# KiCad board DS44.kicad_pcb
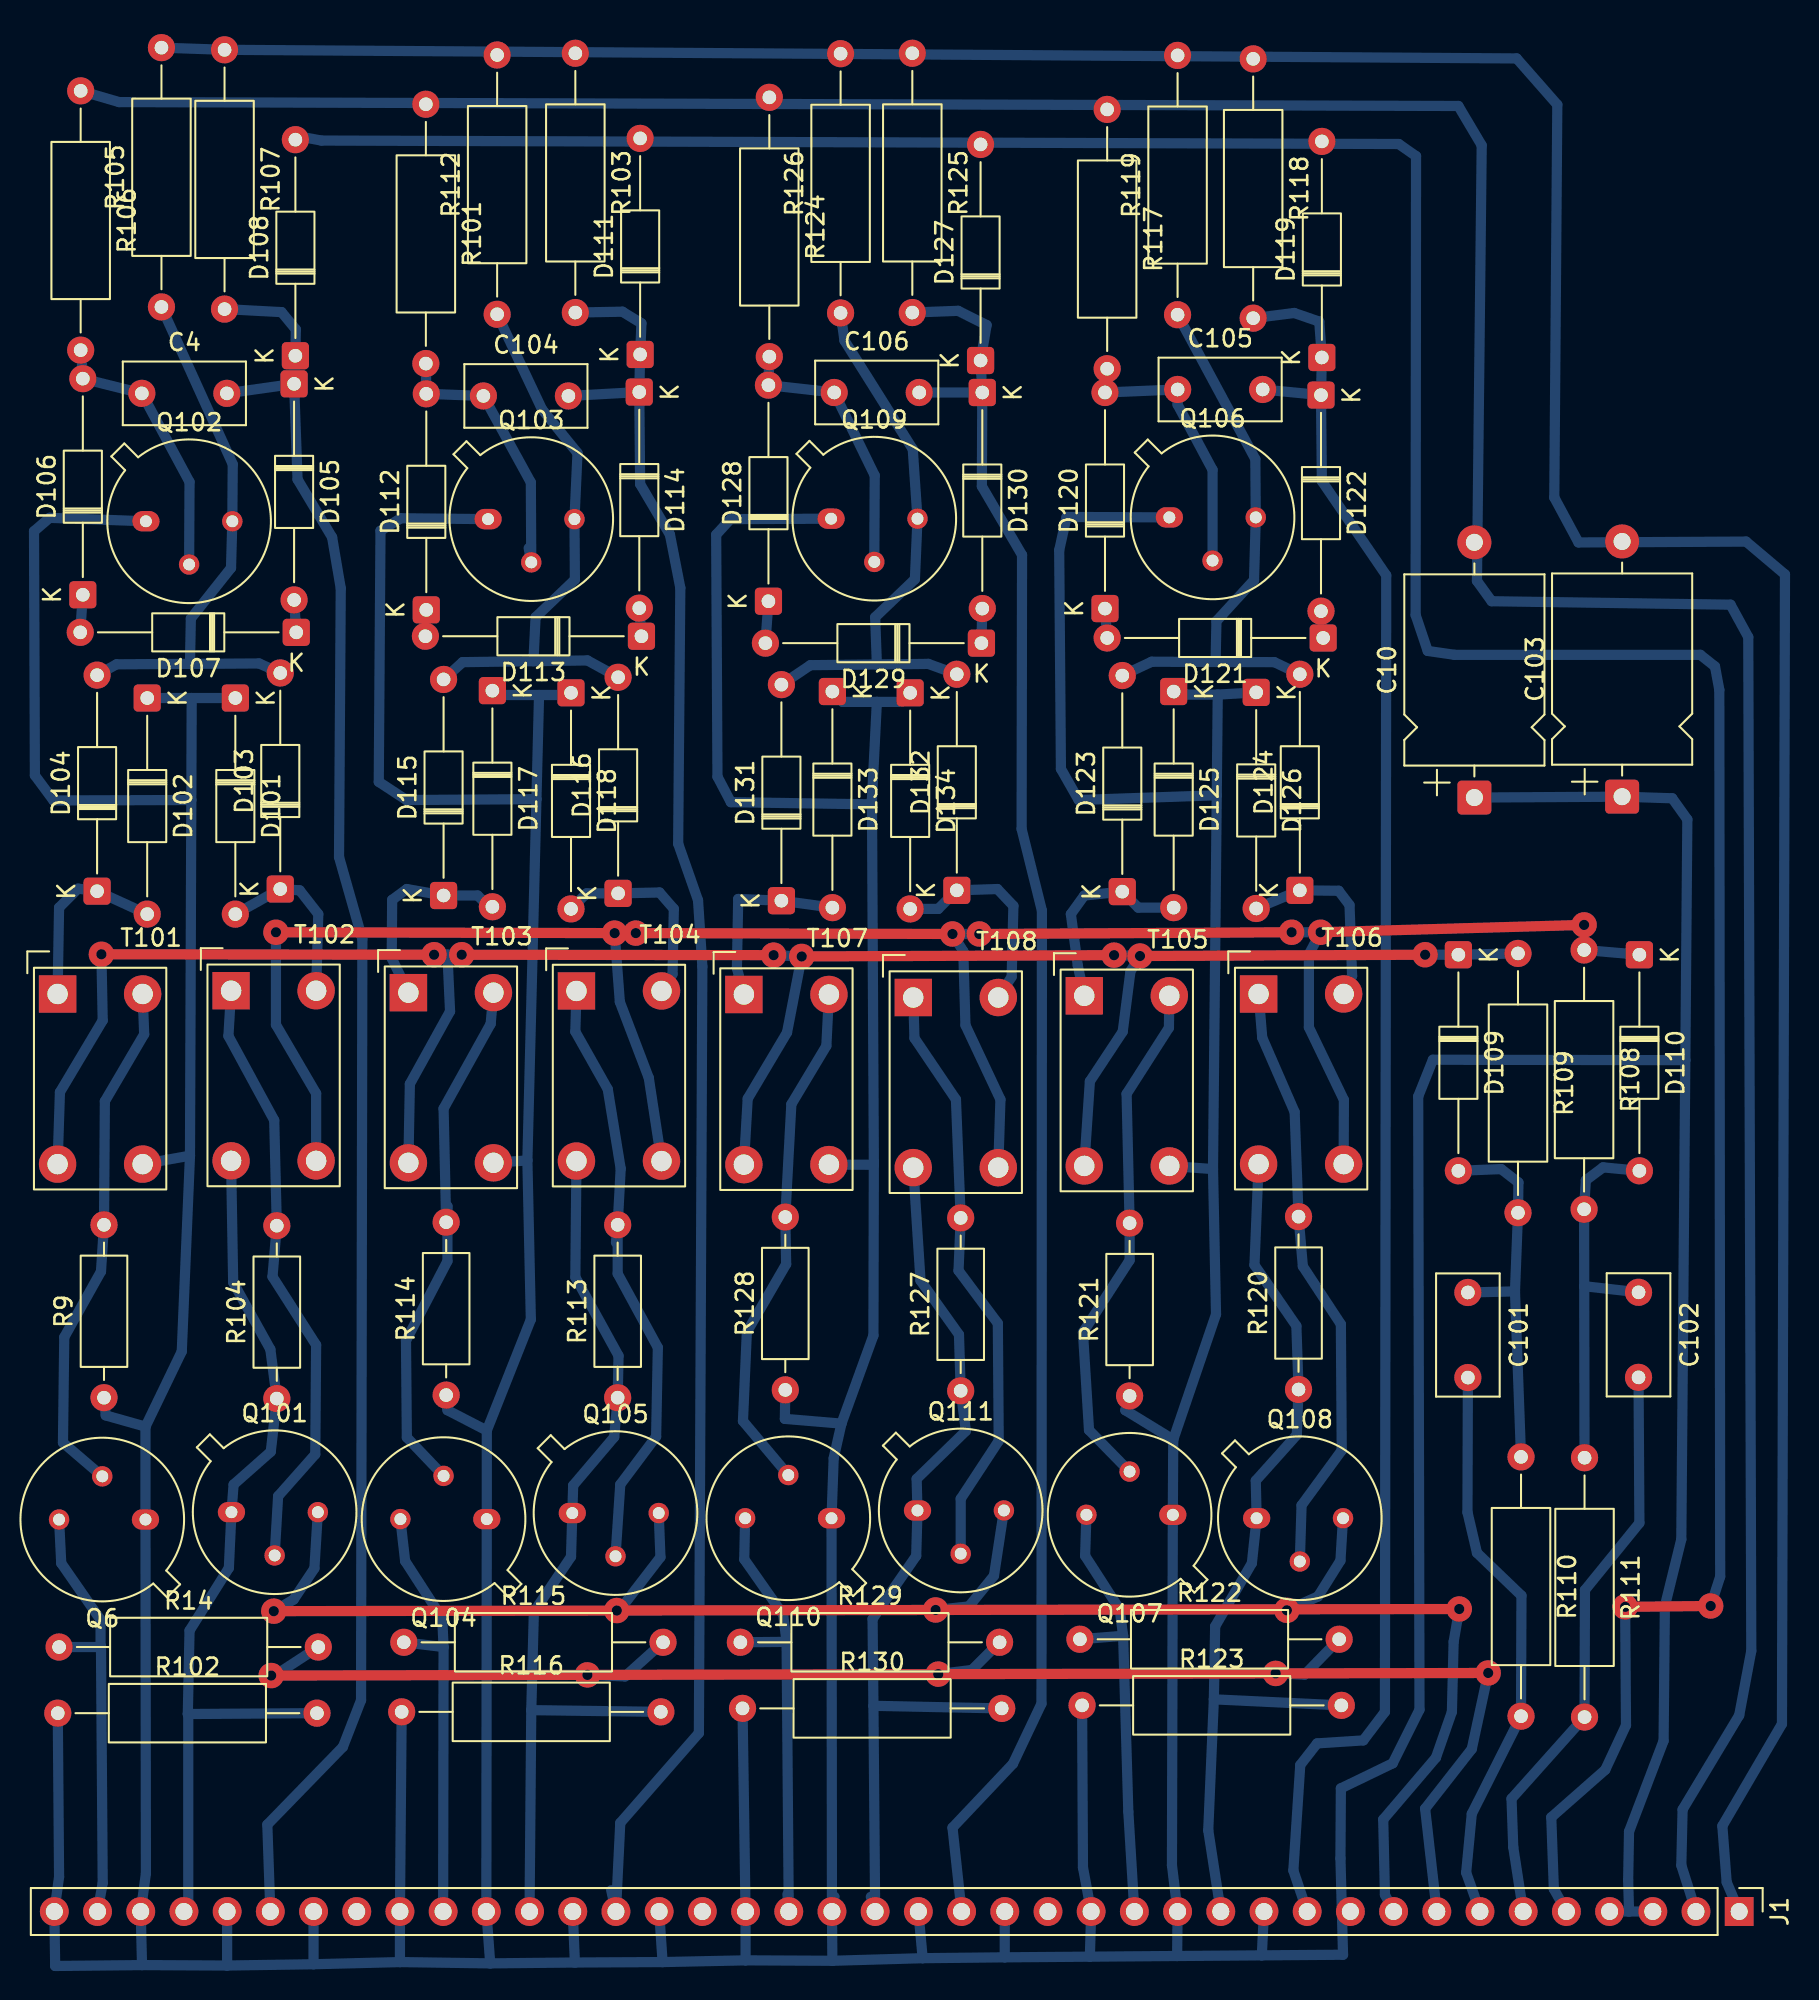
[diagram p0: board, top side]
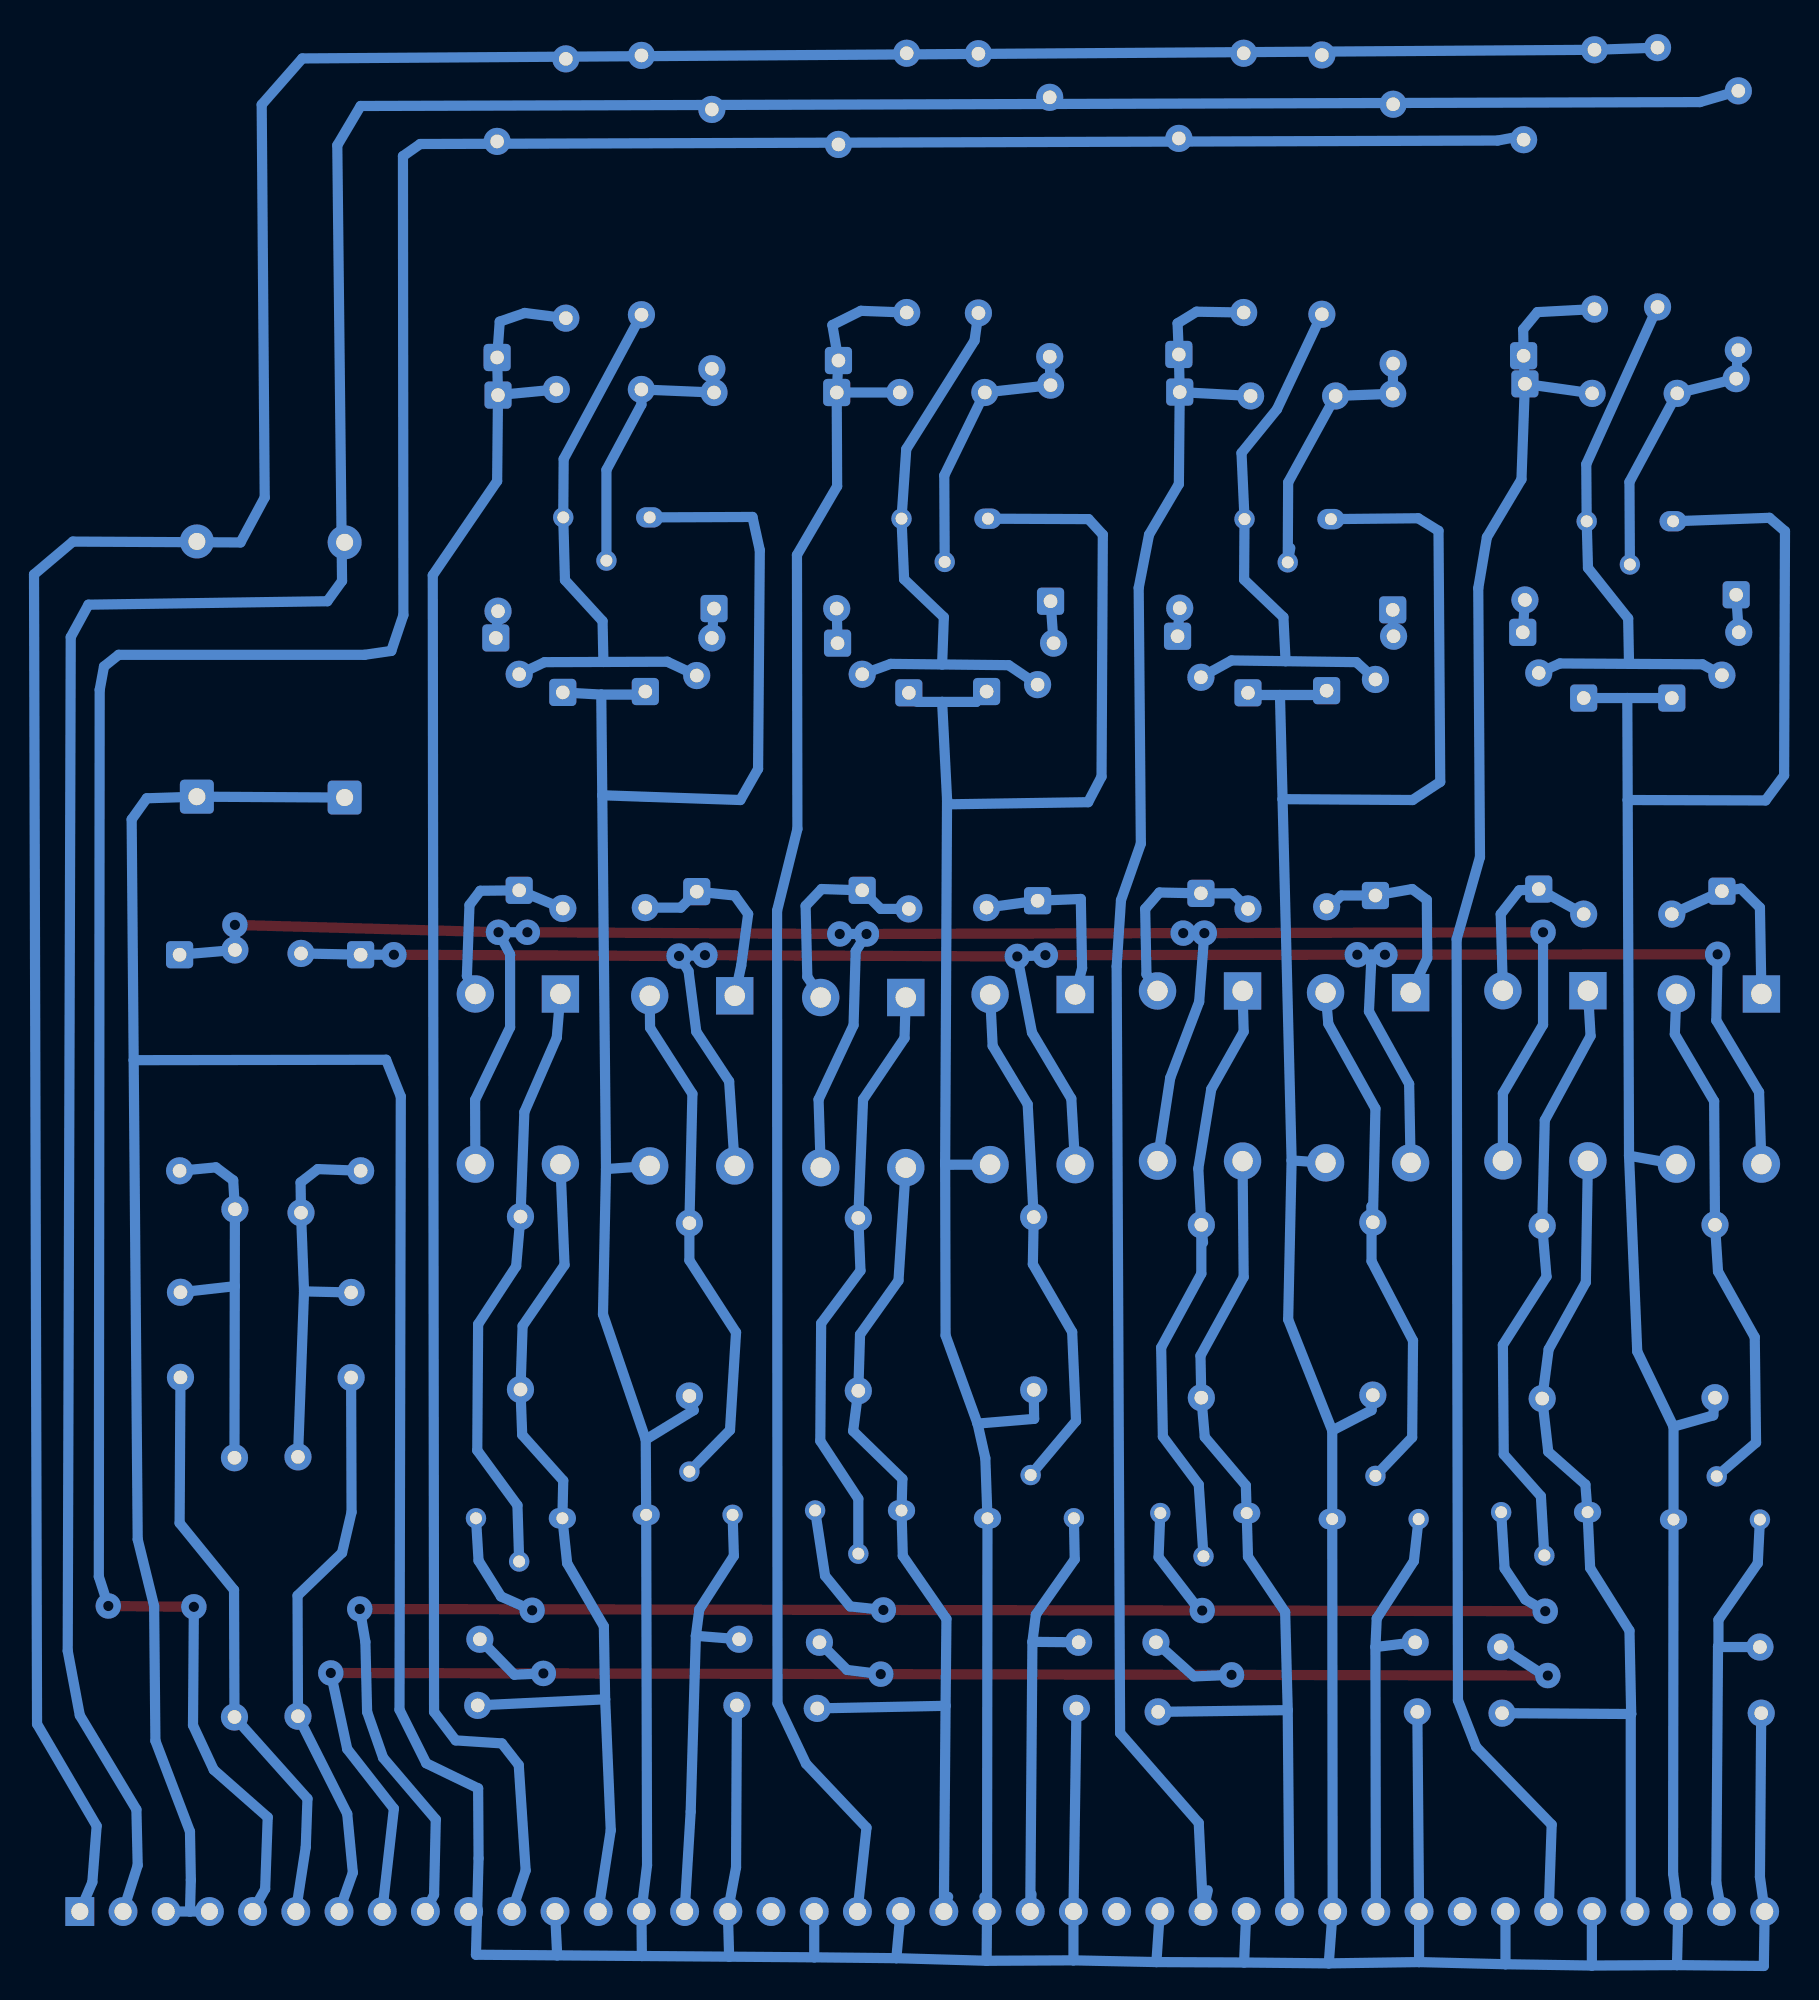
[diagram p1: board, bottom side, seen from below]

No outline. copper layers: Top, Bottom. Coordinates in mm from the lowest, leftmost part position.

## Placement (name value [footprint] x y rotation side)
C4  ?  [C_Rect_L7.0mm_W3.5mm_P5.00mm]  4.95 89.23 0 top
C10  10uF  [CP_Axial_L11.0mm_D8.0mm_P15.00mm_Horizontal]  83.3 65.47 90 top
C101  ?  [C_Rect_L7.0mm_W3.5mm_P5.00mm]  82.92 36.38 270 top
C102  ?  [C_Rect_L7.0mm_W3.5mm_P5.00mm]  92.95 36.39 270 top
C103  10uF  [CP_Axial_L11.0mm_D8.0mm_P15.00mm_Horizontal]  91.98 65.53 90 top
C104  ?  [C_Rect_L7.0mm_W3.5mm_P5.00mm]  25.03 89.08 0 top
C105  ?  [C_Rect_L7.0mm_W3.5mm_P5.00mm]  65.85 89.46 0 top
C106  ?  [C_Rect_L7.0mm_W3.5mm_P5.00mm]  45.66 89.28 0 top
D101  ?  [D_DO-35_SOD27_P12.70mm_Horizontal]  10.45 71.32 270 top
D102  ?  [D_DO-35_SOD27_P12.70mm_Horizontal]  5.27 71.32 270 top
D103  ?  [D_DO-35_SOD27_P12.70mm_Horizontal]  13.09 60.1 90 top
D104  ?  [D_DO-35_SOD27_P12.70mm_Horizontal]  2.32 59.97 90 top
D105  S1005  [D_DO-35_SOD27_P12.70mm_Horizontal]  13.9 89.79 270 top
D106  S1005  [D_DO-35_SOD27_P12.70mm_Horizontal]  1.48 77.39 90 top
D107  S1005  [D_DO-35_SOD27_P12.70mm_Horizontal]  14.03 75.18 180 top
D108  ?  [D_DO-35_SOD27_P12.70mm_Horizontal]  13.98 91.44 90 top
D109  ?  [D_DO-35_SOD27_P12.70mm_Horizontal]  82.36 56.24 270 top
D110  ?  [D_DO-35_SOD27_P12.70mm_Horizontal]  93 56.24 270 top
D111  ?  [D_DO-35_SOD27_P12.70mm_Horizontal]  34.25 91.52 90 top
D112  S1005  [D_DO-35_SOD27_P12.70mm_Horizontal]  21.68 76.5 90 top
D113  S1005  [D_DO-35_SOD27_P12.70mm_Horizontal]  34.33 74.96 180 top
D114  S1005  [D_DO-35_SOD27_P12.70mm_Horizontal]  34.2 89.31 270 top
D115  ?  [D_DO-35_SOD27_P12.70mm_Horizontal]  22.69 59.72 90 top
D116  ?  [D_DO-35_SOD27_P12.70mm_Horizontal]  32.95 59.84 90 top
D117  ?  [D_DO-35_SOD27_P12.70mm_Horizontal]  25.56 71.76 270 top
D118  ?  [D_DO-35_SOD27_P12.70mm_Horizontal]  30.19 71.63 270 top
D119  ?  [D_DO-35_SOD27_P12.70mm_Horizontal]  74.33 91.34 90 top
D120  S1005  [D_DO-35_SOD27_P12.70mm_Horizontal]  61.58 76.58 90 top
D121  S1005  [D_DO-35_SOD27_P12.70mm_Horizontal]  74.41 74.85 180 top
D122  S1005  [D_DO-35_SOD27_P12.70mm_Horizontal]  74.28 89.13 270 top
D123  ?  [D_DO-35_SOD27_P12.70mm_Horizontal]  62.6 59.94 90 top
D124  ?  [D_DO-35_SOD27_P12.70mm_Horizontal]  73.04 60.02 90 top
D125  ?  [D_DO-35_SOD27_P12.70mm_Horizontal]  65.62 71.7 270 top
D126  ?  [D_DO-35_SOD27_P12.70mm_Horizontal]  70.47 71.65 270 top
D127  ?  [D_DO-35_SOD27_P12.70mm_Horizontal]  54.27 91.16 90 top
D128  S1005  [D_DO-35_SOD27_P12.70mm_Horizontal]  41.79 77.01 90 top
D129  S1005  [D_DO-35_SOD27_P12.70mm_Horizontal]  54.32 74.55 180 top
D130  S1005  [D_DO-35_SOD27_P12.70mm_Horizontal]  54.37 89.28 270 top
D131  ?  [D_DO-35_SOD27_P12.70mm_Horizontal]  42.56 59.41 90 top
D132  ?  [D_DO-35_SOD27_P12.70mm_Horizontal]  52.87 60.02 90 top
D133  ?  [D_DO-35_SOD27_P12.70mm_Horizontal]  45.55 71.7 270 top
D134  ?  [D_DO-35_SOD27_P12.70mm_Horizontal]  50.12 71.63 270 top
J1  Conn_01x40  [PinHeader_1x40_P2.54mm_Vertical]  98.87 0 270 top
Q6  ?  [TO-39-3]  5.17 23.04 180 top
Q101  ?  [TO-39-3]  10.22 23.47 0 top
Q102  ?  [TO-39-3]  5.19 81.71 0 top
Q103  ?  [TO-39-3]  25.31 81.84 0 top
Q104  ?  [TO-39-3]  25.23 23.06 180 top
Q105  ?  [TO-39-3]  30.26 23.42 0 top
Q106  ?  [TO-39-3]  65.36 81.94 0 top
Q107  ?  [TO-39-3]  65.57 23.32 180 top
Q108  ?  [TO-39-3]  70.5 23.11 0 top
Q109  ?  [TO-39-3]  45.48 81.86 0 top
Q110  ?  [TO-39-3]  45.5 23.11 180 top
Q111  ?  [TO-39-3]  50.56 23.57 0 top
R9  330R  [R_Axial_DIN0207_L6.3mm_D2.5mm_P10.16mm_Horizontal]  2.73 30.2 90 top
R14  5.1K  [R_Axial_DIN0309_L9.0mm_D3.2mm_P15.24mm_Horizontal]  0.09 15.54 0 top
R101  39K  [R_Axial_DIN0309_L9.0mm_D3.2mm_P15.24mm_Horizontal]  21.65 106.22 270 top
R102  5.1K  [R_Axial_DIN0309_L9.0mm_D3.2mm_P15.24mm_Horizontal]  0.01 11.66 0 top
R103  6.8K  [R_Axial_DIN0309_L9.0mm_D3.2mm_P15.24mm_Horizontal]  30.44 109.22 270 top
R104  330R  [R_Axial_DIN0207_L6.3mm_D2.5mm_P10.16mm_Horizontal]  12.89 30.15 90 top
R105  5.1K  [R_Axial_DIN0309_L9.0mm_D3.2mm_P15.24mm_Horizontal]  6.11 94.31 90 top
R106  39K  [R_Axial_DIN0309_L9.0mm_D3.2mm_P15.24mm_Horizontal]  1.36 107.01 270 top
R107  6.8K  [R_Axial_DIN0309_L9.0mm_D3.2mm_P15.24mm_Horizontal]  9.82 109.42 270 top
R108  100R  [R_Axial_DIN0309_L9.0mm_D3.2mm_P15.24mm_Horizontal]  89.75 56.52 270 top
R109  100R  [R_Axial_DIN0309_L9.0mm_D3.2mm_P15.24mm_Horizontal]  85.86 56.31 270 top
R110  100R  [R_Axial_DIN0309_L9.0mm_D3.2mm_P15.24mm_Horizontal]  86.04 26.72 270 top
R111  100R  [R_Axial_DIN0309_L9.0mm_D3.2mm_P15.24mm_Horizontal]  89.77 26.67 270 top
R112  5.1K  [R_Axial_DIN0309_L9.0mm_D3.2mm_P15.24mm_Horizontal]  25.84 93.88 90 top
R113  330R  [R_Axial_DIN0207_L6.3mm_D2.5mm_P10.16mm_Horizontal]  32.93 30.2 90 top
R114  330R  [R_Axial_DIN0207_L6.3mm_D2.5mm_P10.16mm_Horizontal]  22.85 30.35 90 top
R115  5.1K  [R_Axial_DIN0309_L9.0mm_D3.2mm_P15.24mm_Horizontal]  20.36 15.82 0 top
R116  5.1K  [R_Axial_DIN0309_L9.0mm_D3.2mm_P15.24mm_Horizontal]  20.23 11.73 0 top
R117  39K  [R_Axial_DIN0309_L9.0mm_D3.2mm_P15.24mm_Horizontal]  61.71 105.92 270 top
R118  6.8K  [R_Axial_DIN0309_L9.0mm_D3.2mm_P15.24mm_Horizontal]  70.29 108.89 270 top
R119  5.1K  [R_Axial_DIN0309_L9.0mm_D3.2mm_P15.24mm_Horizontal]  65.85 93.85 90 top
R120  330R  [R_Axial_DIN0207_L6.3mm_D2.5mm_P10.16mm_Horizontal]  72.96 30.68 90 top
R121  330R  [R_Axial_DIN0207_L6.3mm_D2.5mm_P10.16mm_Horizontal]  63.03 30.3 90 top
R122  5.1K  [R_Axial_DIN0309_L9.0mm_D3.2mm_P15.24mm_Horizontal]  60.11 16 0 top
R123  5.1K  [R_Axial_DIN0309_L9.0mm_D3.2mm_P15.24mm_Horizontal]  60.23 12.12 0 top
R124  39K  [R_Axial_DIN0309_L9.0mm_D3.2mm_P15.24mm_Horizontal]  41.84 106.63 270 top
R125  6.8K  [R_Axial_DIN0309_L9.0mm_D3.2mm_P15.24mm_Horizontal]  50.25 109.22 270 top
R126  5.1K  [R_Axial_DIN0309_L9.0mm_D3.2mm_P15.24mm_Horizontal]  46.04 93.95 90 top
R127  330R  [R_Axial_DIN0207_L6.3mm_D2.5mm_P10.16mm_Horizontal]  53.1 30.61 90 top
R128  330R  [R_Axial_DIN0207_L6.3mm_D2.5mm_P10.16mm_Horizontal]  42.78 30.66 90 top
R129  5.1K  [R_Axial_DIN0309_L9.0mm_D3.2mm_P15.24mm_Horizontal]  40.14 15.82 0 top
R130  5.1K  [R_Axial_DIN0309_L9.0mm_D3.2mm_P15.24mm_Horizontal]  40.27 11.94 0 top
T101  ~  [DZ44 Transformer]  0 53.93 0 top
T102  ~  [DZ44 Transformer]  10.2 54.12 0 top
T103  ~  [DZ44 Transformer]  20.62 54.01 0 top
T104  ~  [DZ44 Transformer]  30.51 54.11 0 top
T105  ~  [DZ44 Transformer]  60.36 53.82 0 top
T106  ~  [DZ44 Transformer]  70.61 53.93 0 top
T107  ~  [DZ44 Transformer]  40.35 53.9 0 top
T108  ~  [DZ44 Transformer]  50.31 53.72 0 top

## Library data of the parts
C4 C101 C102 C104-C106 = -: Description: Unpolarized capacitor; ki_fp_filters: C_*
C10 C103 = -: Description: Polarized capacitor; ki_fp_filters: CP_*
D101-D134 = -: Datasheet: https://assets.nexperia.com/documents/data-sheet/1N4148_1N4448.pdf; Description: 100V 0.15A High-speed standard diode, DO-35; Sim.Device: D; Sim.Pins: 1=K 2=A; ki_fp_filters: D*DO?35*
J1 = -: Description: Generic connector, single row, 01x40, script generated (kicad-library-utils/schlib/autogen/connector/); ki_fp_filters: Connector*:*_1x??_*
Q6 Q101-Q111 = -: Description: PNP transistor, emitter/base/collector
R9 R14 R101-R130 = -: Description: Resistor; ki_fp_filters: R_*

## Footprints (pads in the part's own frame, mm; a bottom-side part is the same pattern mirrored in y, then rotated)
C_Rect_L7.0mm_W3.5mm_P5.00mm
  round 1.6 hole 0.8: 1(0,0) 2(5,0)
CP_Axial_L11.0mm_D8.0mm_P15.00mm_Horizontal
  rrect 2x2 hole 1: 1(0,0)
  round 2 hole 1: 2(15,0)
D_DO-35_SOD27_P12.70mm_Horizontal
  rrect 1.6x1.6 hole 0.8: 1(0,0)
  round 1.6 hole 0.8: 2(12.7,0)
DZ44 Transformer
  rect 2.2x2.2 hole 1.2: 1(0,0)
  round 2.2 hole 1.2: 2(0,-10) 3(5,-10) 4(5,0)
PinHeader_1x40_P2.54mm_Vertical
  rect 1.7x1.7 hole 1: 1(0,0)
  round 1.7 hole 1: 2(0,-2.54) 3(0,-5.08) 4(0,-7.62) 5(0,-10.16) 6(0,-12.7) 7(0,-15.24) 8(0,-17.78) 9(0,-20.32) 10(0,-22.86) 11(0,-25.4) 12(0,-27.94) 13(0,-30.48) 14(0,-33.02) 15(0,-35.56) 16(0,-38.1) 17(0,-40.64) 18(0,-43.18) 19(0,-45.72) 20(0,-48.26) 21(0,-50.8) 22(0,-53.34) 23(0,-55.88) 24(0,-58.42) 25(0,-60.96) 26(0,-63.5) 27(0,-66.04) 28(0,-68.58) 29(0,-71.12) 30(0,-73.66) 31(0,-76.2) 32(0,-78.74) 33(0,-81.28) 34(0,-83.82) 35(0,-86.36) 36(0,-88.9) 37(0,-91.44) 38(0,-93.98) 39(0,-96.52) 40(0,-99.06)
R_Axial_DIN0207_L6.3mm_D2.5mm_P10.16mm_Horizontal
  round 1.6 hole 0.8: 1(0,0) 2(10.16,0)
R_Axial_DIN0309_L9.0mm_D3.2mm_P15.24mm_Horizontal
  round 1.6 hole 0.8: 1(0,0) 2(15.24,0)
TO-39-3
  oval 1.6x1.2 hole 0.7: 1(0,0)
  round 1.2 hole 0.7: 2(2.54,-2.54) 3(5.08,0)

## Nets
+6V: C10.2 J1.2 R101.1 R106.1 R117.1 R124.1
-12V: C103.2 J1.1 R103.1 R105.2 R107.1 R112.2 R118.1 R119.2 R125.1 R126.2
GND: C10.1 C103.1 D101.1 D102.1 D117.1 D118.1 D125.1 D126.1 D133.1 D134.1 J1.3 J1.4 J1.10 J1.12 J1.14 J1.16 J1.18 J1.20 J1.22 J1.24 J1.26 J1.28 J1.30 J1.32 J1.34 J1.36 J1.38 J1.40 Q6.1 Q102.1 Q103.1 Q104.1 Q106.1 Q107.1 Q109.1 Q110.1 R9.1 R102.1 R114.1 R116.1 R121.1 R123.1 R128.1 R130.1 T101.3 T103.3 T105.3 T107.3
P5: D108.2 D111.2 D119.2 D127.2 J1.5
P6: C102.2 J1.6 R111.2
P7: C101.2 J1.7 R110.2
P8: J1.8 R14.2 R115.2 R122.2 R129.2
P9: J1.9 Q101.3 Q105.3 Q108.3 Q111.3
P11: C105.2 D119.1 D122.1 J1.11 R118.2
P13: J1.13 Q108.1 R120.1 R123.2 T106.2
P15: J1.15 Q107.3 R122.1
P19: C106.2 D127.1 D130.1 J1.19 R125.2
P21: J1.21 Q111.1 R127.1 R130.2 T108.2
P23: J1.23 Q110.3 R129.1
P27: C104.2 D111.1 D114.1 J1.27 R103.2
P29: J1.29 Q105.1 R113.1 R116.2 T104.2
P31: J1.31 Q104.3 R115.1
P35: C4.2 D105.1 D108.1 J1.35 R107.2
P37: J1.37 Q101.1 R102.2 R104.1 T102.2
P39: J1.39 Q6.3 R14.1
T_DRV1: D109.1 R109.1 T101.2 T103.2 T105.2 T107.2
T_DRV2: D110.1 R108.1 T102.3 T104.3 T106.3 T108.3
Net-(D101-A): D101.2 D103.1 T102.4
Net-(D102-A): D102.2 D104.1 T101.1
Net-(D103-A): D103.2 D104.2 Q102.3 R105.1
Net-(D105-A): D105.2 D107.1
Net-(D106-A): C4.1 D106.2 Q102.2 R106.2
Net-(D106-K): D106.1 D107.2
Net-(D109-A): C101.1 D109.2 R109.2 R110.1
Net-(D110-A): C102.1 D110.2 R108.2 R111.1
Net-(D112-A): C104.1 D112.2 Q103.2 R101.2
Net-(D112-K): D112.1 D113.2
Net-(D113-K): D113.1 D114.2
Net-(D115-A): D115.2 D116.2 Q103.3 R112.1
Net-(D115-K): D115.1 D117.2 T103.1
Net-(D116-K): D116.1 D118.2 T104.4
Net-(D120-A): C105.1 D120.2 Q106.2 R117.2
Net-(D120-K): D120.1 D121.2
Net-(D121-K): D121.1 D122.2
Net-(D123-A): D123.2 D124.2 Q106.3 R119.1
Net-(D123-K): D123.1 D125.2 T105.1
Net-(D124-K): D124.1 D126.2 T106.4
Net-(D128-A): C106.1 D128.2 Q109.2 R124.2
Net-(D128-K): D128.1 D129.2
Net-(D129-K): D129.1 D130.2
Net-(D131-A): D131.2 D132.2 Q109.3 R126.1
Net-(D131-K): D131.1 D133.2 T107.1
Net-(D132-K): D132.1 D134.2 T108.4
Net-(Q6-B): Q6.2 R9.2 T101.4
Net-(Q101-B): Q101.2 R104.2 T102.1
Net-(Q104-B): Q104.2 R114.2 T103.4
Net-(Q105-B): Q105.2 R113.2 T104.1
Net-(Q107-B): Q107.2 R121.2 T105.4
Net-(Q108-B): Q108.2 R120.2 T106.1
Net-(Q110-B): Q110.2 R128.2 T107.4
Net-(Q111-B): Q111.2 R127.2 T108.1

Pads without a net: J1 17 25 33

## Via types
v1: diameter 1.5, hole 0.6, Top to Bottom, 28 vias

## Routing (per net, layer and track width the routed paths; a pad name or vN(x,y) marks a point on that pad's centre or on a via; arc(x,y) is an arc through that point)
+6V: length 203.1
  Bottom w0.6: J1.2 95.46,2.72 95.54,5.99 98.87,11.53 99.58,15.32 99.4,74.9 98.36,76.81 84.31,77.01 83.45,78.21 83.73,103.81 82.36,106.12 3.62,106.35 R106.1
-12V: length 201.9
  Bottom w0.6: J1.1 98.13,1.73 97.88,5.03 101.38,11.02 101.56,78.59 99.27,80.52 89.42,80.47 88,83.11 88.17,106.2 85.79,108.92 R107.1 R105.2
GND: length 776.7
  Bottom w0.6: 50.86,-2.74 J1.20 ; 50.86,-2.74 45.55,-2.9 ; 50.86,-2.74 55.69,-2.69 ; 48.17,71.09 46.16,71.09 D133.1 ; 48.17,71.09 49.59,71.09 D134.1 ; 48.17,71.09 47.88,65.38 ; 60.69,-2.65 J1.16 60.28,2.59 R123.1 ; 60.69,-2.65 65.82,-2.61 ; 60.69,-2.65 55.69,-2.69 ; R128.1 42.76,28.96 46.09,28.68 ; 7.88,71.32 D101.1 ; 7.88,71.32 7.86,65.33 ; 7.88,71.32 D102.1 ; 25.44,-3.05 J1.30 Q104.1 25.23,28.27 ; 25.44,-3.05 30.41,-3 ; 25.44,-3.05 20.13,-2.97 ; 20.13,-2.97 J1.32 R116.1 ; 20.13,-2.97 15.05,-3.1 ; J1.4 92.39,0 ; 92.39,0 J1.3 ; 92.39,0 92.34,1.85 92.39,4.7 94.42,10.03 94.5,17.96 95.46,21.87 95.7,50.04 ; 40.45,-2.87 J1.24 R130.1 ; 40.45,-2.87 35.57,-2.97 ; 40.45,-2.87 45.55,-2.9 ; 28.31,71.5 30.06,71.5 D118.1 ; 28.31,71.5 28.15,65.38 ; 28.31,71.5 25.61,71.5 25.56,71.55 D117.1 ; 27.62,44.15 27.82,34.8 25.23,28.27 ; 27.62,44.15 28.15,65.38 ; 27.62,44.15 T103.3 ; 25.23,28.27 22.92,29.46 R114.1 ; 35.57,-2.97 J1.26 ; 35.57,-2.97 30.41,-3 ; 5.17,28.5 2.83,29.16 R9.1 ; 5.17,28.5 7.3,32.92 7.78,44.42 ; 5.17,28.5 Q6.1 5.19,2.24 J1.38 4.96,-3.15 ; 15.05,-3.1 J1.34 ; 15.05,-3.1 9.97,-3.17 ; 65.82,-2.61 70.8,-2.58 ; 65.82,-2.61 J1.14 65.52,2.72 Q107.1 65.59,27.74 ; D125.1 65.8,71.52 68.21,71.52 ; 4.96,-3.15 -0.14,-3.2 J1.40 0.09,2.03 R102.1 ; 4.96,-3.15 9.97,-3.17 ; 67.93,43.64 T105.3 ; 67.93,43.64 68.15,65.61 ; 67.93,43.64 68.11,35.1 65.59,27.74 ; 55.69,-2.69 J1.18 ; 7.86,65.33 7.78,44.42 ; 7.86,65.33 -0.24,65.3 -1.34,66.78 -1.39,81.13 -0.47,81.92 Q102.1 ; 28.15,65.38 20.51,65.33 18.88,66.4 18.98,81.15 20.18,81.89 Q103.1 ; 7.78,44.42 T101.3 ; 68.21,71.52 D126.1 ; 68.21,71.52 68.15,65.61 ; 47.99,44.07 47.99,43.89 T107.3 ; 47.99,44.07 47.88,65.38 ; 47.99,44.07 47.97,33.86 46.09,28.68 ; 47.88,65.38 47.86,65.07 39.58,65.2 38.8,66.7 38.72,80.92 39.56,81.84 Q109.1 ; 95.7,50.04 95.82,64.19 94.93,65.43 C103.1 C10.1 ; 95.7,50.04 80.86,50.06 80,47.9 80.07,11.86 78.5,8.71 75.45,7.24 75.42,3.12 75.58,-2.54 70.8,-2.58 ; 45.55,-2.9 J1.22 ; J1.22 Q110.1 45.63,26.64 46.09,28.68 ; J1.22 45.68,0.86 ; 65.59,27.74 62.77,29.46 R121.1 ; 68.15,65.61 60.03,65.33 58.99,67.16 58.89,80.01 59.32,81.97 Q106.1 ; J1.12 70.8,-2.58 ; 30.41,-3 J1.28 ; 9.97,-3.17 J1.36
P5: length 192.9
  Top w0.6: v1(97.19,17.96) v1(92.16,17.91)
  Bottom w0.6: v1(92.16,17.91) 92.21,10.95 90.99,8.33 87.82,5.54 87.97,1.32 J1.5 ; 13.75,104.42 15.5,104.09 78.85,103.89 79.87,103.17 79.84,76.2 80.55,74.09 82.13,73.86 96.58,73.86 97.45,73.18 97.7,71.81 97.75,19.69 v1(97.19,17.96)
P6: length 34.2
  Bottom w0.6: J1.6 85.58,3.78 85.48,6.63 R111.2 89.8,18.9 93,22.83 C102.2
P7: length 33.4
  Bottom w0.6: J1.7 82.81,2.29 83.14,5.74 R110.2 86.07,18.57 83.45,21.08 82.89,23.47 C101.2
P8: length 104.1
  Top w0.6: v1(12.56,13.87) v1(31.15,13.91) v1(51.78,13.95) v1(71.61,13.99) v1(84.11,14.02)
  Bottom w0.6: J1.8 80.4,6.05 83.14,9.55 v1(84.11,14.02) ; R14.2 12.76,13.87 v1(12.56,13.87) ; R115.2 33.36,13.82 v1(31.15,13.91) ; R129.2 53.76,14.2 v1(51.78,13.95) ; R122.2 73.32,13.92 v1(71.61,13.99)
P9: length 117.6
  Top w0.6: v1(12.71,17.65) v1(32.88,17.69) v1(51.62,17.72) v1(82.41,17.78)
  Bottom w0.6: v1(82.41,17.78) 82.08,15.85 81.98,11.73 81.04,9.04 77.94,5.41 78.04,0.99 J1.9 ; Q105.3 35.44,20.83 33.31,18.06 v1(32.88,17.69) ; v1(72.27,17.7) 74.1,18.52 75.42,20.62 Q108.3 ; Q101.3 15.1,20.17 13.88,18.34 v1(12.71,17.65) ; Q111.3 55.05,19.74 53.58,17.93 v1(51.62,17.72)
P11: length 105.5
  Bottom w0.6: D122.1 74.33,84.07 78.12,78.54 78.04,11.73 76.77,10.06 74.05,9.88 73.06,8.61 72.65,2.41 J1.11 ; D122.1 C105.2 ; D122.1 D119.1 74.18,93.45 72.71,93.95 R118.2
P13: length 53.8
  Bottom w0.6: T106.2 70.37,38 72.83,34.42 R120.1 72.86,28.02 70.44,25.32 Q108.1 70.22,20.47 68.06,16.76 67.98,12.47 ; 67.98,12.47 R123.2 ; 67.98,12.47 67.65,4.78 J1.13
P15: length 26.5
  Bottom w0.6: 62.65,16.21 62.95,5.87 J1.15 ; 62.65,16.21 62.44,17.75 60.41,20.9 Q107.3 ; 62.65,16.21 R122.1
P19: length 104.2
  Bottom w0.6: R125.2 52.94,94.08 54.62,93.24 D127.1 D130.1 ; C106.2 D130.1 ; D130.1 54.34,83.77 56.7,79.73 56.68,63.63 57.87,58.83 57.85,12.22 56.17,8.69 52.61,4.93 J1.19
P21: length 54.9
  Bottom w0.6: 47.97,12.09 R130.2 ; 47.97,12.09 J1.21 47.81,0.86 ; 47.97,12.09 47.92,17.2 50.48,20.9 Q111.1 50.51,25.43 53.4,28.24 R127.1 53,33.91 50.73,37.08 T108.2
P23: length 27.6
  Bottom w0.6: 42.86,15.85 J1.23 42.91,1.02 ; 42.86,15.85 42.66,17.45 40.37,20.7 Q110.3 ; 42.86,15.85 R129.1
P27: length 105.4
  Bottom w0.6: C104.2 D114.1 ; D114.1 34.25,83.9 36,80.92 36.61,77.8 36.49,62.76 37.65,59.44 37.91,55.55 37.7,10.49 33.08,5.21 J1.27 32.55,1.24 ; D114.1 D111.1 34.33,93.34 33.21,94.03 R103.2
P29: length 53.9
  Bottom w0.6: T104.2 30.44,37.29 32.98,32.66 R113.1 32.73,27.89 30.31,25.04 Q105.1 30.19,20.85 28,17.6 27.85,11.84 ; 27.85,11.84 R116.2 ; 27.85,11.84 J1.29
P31: length 26.1
  Bottom w0.6: 22.69,15.54 22.62,17.22 20.43,20.6 Q104.3 ; 22.69,15.54 J1.31 ; 22.69,15.54 R115.1
P35: length 104.5
  Bottom w0.6: D105.1 D108.1 14.01,92.99 13.17,94.01 R107.2 ; D105.1 C4.2 ; D105.1 14.11,84.18 16.14,80.77 16.65,77.77 16.55,61.98 17.92,57.15 17.84,12.42 16.77,9.68 12.33,5.11 J1.35
P37: length 54.1
  Bottom w0.6: 7.66,11.61 7.76,16.51 10.07,20.19 Q101.1 10.35,25.1 12.53,27.03 R104.1 12.51,33.05 10.32,36.98 T102.2 ; 7.66,11.61 7.68,11.58 7.68,0.25 J1.37 ; 7.66,11.61 R102.2
P39: length 26.3
  Bottom w0.6: Q6.3 0.21,20.47 2.53,17.15 2.53,15.6 2.55,15.57 ; J1.39 2.65,1.68 2.55,15.57 ; 2.55,15.57 2.53,15.54 R14.1
T_DRV1: length 135.2
  Top w0.6: v1(2.58,56.26) v1(22.13,56.24) ; v1(63.64,56.16) v1(80.4,56.24) ; v1(23.76,56.24) v1(42.1,56.21) ; v1(43.75,56.13) v1(62.11,56.21)
  Bottom w0.6: v1(62.11,56.21) v1(63.64,56.16) 63.08,55.27 62.62,51.71 60.69,48.79 T105.2 ; v1(80.4,56.24) D109.1 R109.1 ; T107.2 40.57,47.78 42.89,51.66 v1(43.75,56.13) v1(42.1,56.21) ; 22.92,56.24 23.07,52.91 20.71,48.64 T103.2 ; 22.92,56.24 v1(23.76,56.24) ; 22.92,56.24 v1(22.13,56.24) ; v1(2.58,56.26) 2.65,52.37 0.14,48.16 T101.2
T_DRV2: length 138.2
  Top w0.6: v1(89.75,57.99) v1(74.25,57.56) ; v1(72.55,57.56) v1(54.19,57.45) ; v1(32.75,57.51) v1(12.84,57.56) ; v1(52.61,57.45) v1(34,57.51)
  Bottom w0.6: v1(12.84,57.56) 12.84,52.12 15.2,48.08 T102.3 ; v1(54.19,57.45) v1(52.61,57.45) 53.25,56.44 53.38,52.1 55.43,47.73 T108.3 ; D110.1 R108.1 v1(89.75,57.99) ; T106.3 75.63,47.7 73.57,51.97 73.57,56.26 v1(74.25,57.56) v1(72.55,57.56) ; v1(34,57.51) v1(32.75,57.51) 33.06,53.47 34.76,49 T104.3
Net-(D101-A): length 10.4
  Bottom w0.6: D101.2 D103.1 14.23,60.02 15.33,58.62 T102.4
Net-(D102-A): length 11
  Bottom w0.6: T101.1 0.09,59 1.2,60.12 D104.1 D102.2
Net-(D103-A): length 33.8
  Bottom w0.6: R105.1 10.3,85.06 Q102.3 10.2,78.97 7.83,76 7.78,73.33 ; D104.2 3.47,73.3 7.78,73.33 ; 7.78,73.33 11.85,73.36 D103.2
Net-(D105-A): length 1.9
  Bottom w0.6: D107.1 D105.2
Net-(D106-A): length 16.5
  Bottom w0.6: 1.36,92.23 D106.2 C4.1 7.76,84.02 Q102.2
Net-(D106-K): length 2.2
  Bottom w0.6: D107.2 D106.1
Net-(D109-A): length 22.7
  Bottom w0.6: 85.69,36.45 R109.2 85.89,42.85 84.87,43.64 D109.2 ; 85.69,36.45 R110.1 ; 85.69,36.45 C101.1
Net-(D110-A): length 22.9
  Bottom w0.6: D110.2 90.87,43.74 89.85,42.98 R108.2 89.76,36.75 ; 89.76,36.75 C102.1 ; 89.76,36.75 R111.1
Net-(D112-A): length 16.5
  Bottom w0.6: 27.7,80.14 Q103.2 27.82,84 C104.1 D112.2 R101.2
Net-(D112-K): length 1.6
  Bottom w0.6: D112.1 D113.2
Net-(D113-K): length 1.7
  Bottom w0.6: D114.2 D113.1
Net-(D115-A): length 33.6
  Bottom w0.6: R112.1 28.48,88.29 30.57,85.73 Q103.3 30.41,78.28 28.1,76.07 27.98,73.49 ; 27.98,73.49 31.15,73.53 D116.2 ; 27.98,73.49 23.81,73.43 D115.2
Net-(D115-K): length 12.1
  Bottom w0.6: D117.2 25.36,59.06 24.7,59.72 D115.1 20.53,60.1 19.67,59.46 19.64,56.03 T103.1
Net-(D116-K): length 11.9
  Bottom w0.6: D118.2 31.1,59.84 D116.1 35.39,59.89 36.23,58.93 36.16,55.09 T104.4
Net-(D120-A): length 16.3
  Bottom w0.6: R117.2 D120.2 C105.1 65.85,88.57 67.91,84.73 Q106.2
Net-(D120-K): length 1.7
  Bottom w0.6: D120.1 D121.2
Net-(D121-K): length 1.6
  Bottom w0.6: D122.2 D121.1
Net-(D123-A): length 33.2
  Bottom w0.6: 68.08,73.44 71.54,73.43 D124.2 ; 68.08,73.44 68.13,75.84 70.34,78.26 Q106.3 70.42,85.37 R119.1 ; 68.08,73.44 64.32,73.46 D123.2
Net-(D123-K): length 11.9
  Bottom w0.6: T105.1 59.98,55.6 59.57,58.62 60.36,59.72 D123.1 63.54,59 D125.2
Net-(D124-K): length 11.5
  Bottom w0.6: T106.4 76.11,54.99 75.96,59.16 75.32,59.99 D124.1 D126.2
Net-(D128-A): length 16.1
  Bottom w0.6: Q109.2 48.04,84.4 C106.1 D128.2 R124.2
Net-(D128-K): length 2.5
  Bottom w0.6: D128.1 D129.2
Net-(D129-K): length 2
  Bottom w0.6: D130.2 D129.1
Net-(D131-A): length 33.6
  Bottom w0.6: D131.2 44.26,73.25 48.17,73.3 ; R126.1 46.26,92.33 50.28,85.95 Q109.3 50.4,78.31 48.07,76.07 48.17,73.3 ; 48.17,73.3 51.19,73.33 D132.2
Net-(D131-K): length 11.2
  Bottom w0.6: T107.1 39.94,55.45 40.02,59.51 D131.1 D133.2
Net-(D132-K): length 12.6
  Bottom w0.6: D134.2 51.78,58.93 D132.1 55.26,60.1 56.2,59.11 56.09,54.94 T108.4
Net-(Q6-B): length 30.6
  Bottom w0.6: Q6.2 0.32,27.56 0.39,33.76 2.55,37.62 R9.2 2.78,47.63 5.09,51.56 T101.4
Net-(Q101-B): length 35.5
  Bottom w0.6: Q101.2 12.96,24.41 15.15,26.87 15.2,33.3 12.63,37.31 R104.2 12.74,46.51 10.04,51.46 T102.1
Net-(Q104-B): length 32.5
  Bottom w0.6: Q104.2 20.53,27.86 20.48,33.55 22.92,38.23 22.92,41.45 R114.2 22.69,47.19 25.46,52.17 T103.4
Net-(Q105-B): length 36.2
  Bottom w0.6: T104.1 30.44,51.71 32.34,48.34 33.11,43.66 R113.2 ; R113.2 32.93,37.49 35.29,33.15 35.19,27.91 33.08,25.1 Q105.2 ; R113.2 32.83,39.32
Net-(Q107-B): length 30.5
  Bottom w0.6: Q107.2 60.64,28.3 60.28,34.04 63.03,38.28 R121.2 62.85,48.06 65.34,51.94 T105.4
Net-(Q108-B): length 35.2
  Bottom w0.6: T106.1 70.83,51.36 72.73,46.99 R120.2 73.21,37.92 75.45,34.52 75.5,27.1 73.14,23.88 Q108.2
Net-(Q110-B): length 30.4
  Bottom w0.6: Q110.2 40.3,28.83 40.52,34.06 42.84,38.05 R128.2 43.14,47.45 45.2,50.88 T107.4
Net-(Q111-B): length 34.9
  Bottom w0.6: T108.1 50.38,51.33 52.82,47.73 R127.2 52.97,37.67 55.28,34.57 55.33,27.66 53.1,24.26 Q111.2
